# Altium PCB 通用工装板.PcbDoc (part 1 of 10) (continued)
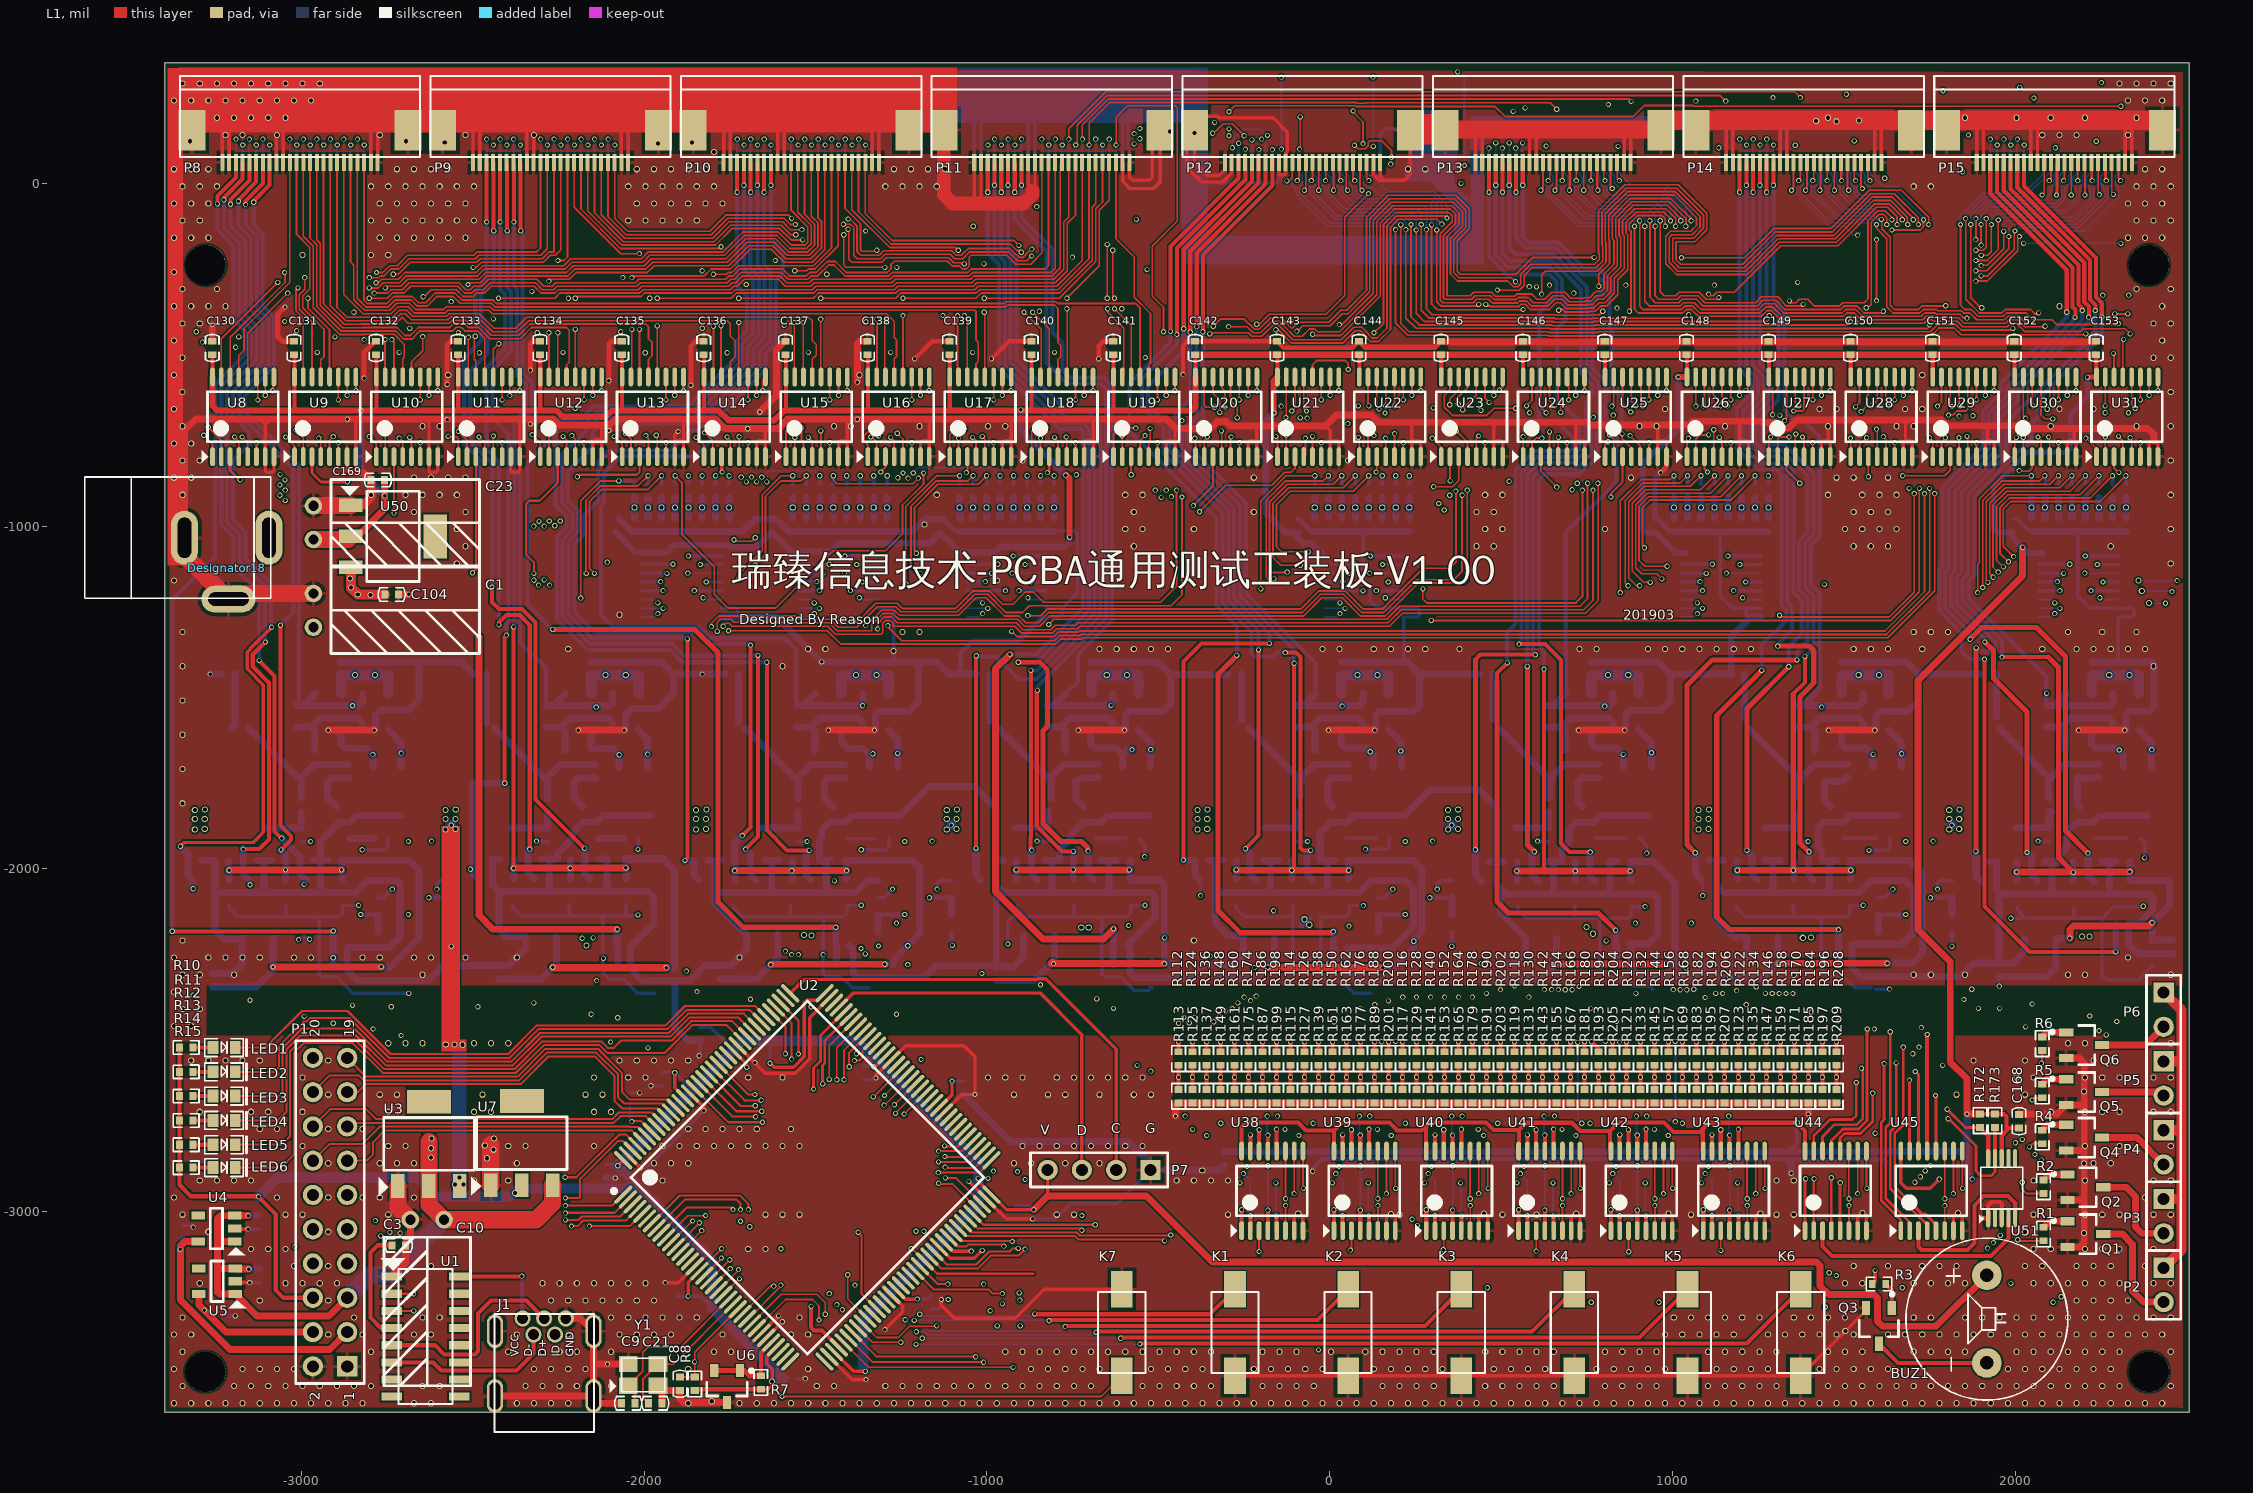
[diagram p0: L1 view]
## Components (designator, comment, footprint, x,y, rotation, side; value= is the part's Value field where it differs from the comment) (continued)
R37 "20K" r0402 -1488,-996.42 r270 bottom
R38 "10K" r0402 -1448.63,-896.02 r270 bottom
R39 "20K" r0402 -1448.63,-996.42 r270 bottom
R40 "10K" r0402 -1409.26,-896.02 r270 bottom
R41 "20K" r0402 -1409.26,-996.42 r270 bottom
R42 "10K" r0402 -1369.89,-896.02 r270 bottom
R43 "20K" r0402 -1369.89,-996.42 r270 bottom
R44 "10K" r0402 -1330.52,-896.02 r270 bottom
R45 "20K" r0402 -1330.52,-996.42 r270 bottom
R46 "10K" r0402 -1291.15,-896.02 r270 bottom
R47 "20K" r0402 -1291.15,-996.42 r270 bottom
R48 "10K" r0402 -1079.8,-896.02 r270 bottom
R49 "20K" r0402 -1079.67,-996.42 r270 bottom
R50 "10K" r0402 -1040.43,-896.02 r270 bottom
R51 "20K" r0402 -1040.3,-996.42 r270 bottom
R52 "10K" r0402 -1001.06,-896.02 r270 bottom
R53 "20K" r0402 -1000.93,-996.42 r270 bottom
R54 "10K" r0402 -961.63,-896.02 r270 bottom
R55 "20K" r0402 -961.56,-996.42 r270 bottom
R56 "10K" r0402 -922.26,-896.02 r270 bottom
R57 "20K" r0402 -922.19,-996.42 r270 bottom
R58 "10K" r0402 -882.89,-896.02 r270 bottom
R59 "20K" r0402 -882.82,-996.42 r270 bottom
R60 "10K" r0402 -843.52,-896.02 r270 bottom
R61 "20K" r0402 -843.45,-996.42 r270 bottom
R62 "10K" r0402 -804.15,-896.02 r270 bottom
R63 "20K" r0402 -804.08,-996.42 r270 bottom
R64 "10K" r0402 -43.67,-896.02 r270 bottom
R65 "20K" r0402 -43.67,-996.42 r270 bottom
R66 "10K" r0402 -4.3,-896.02 r270 bottom
R67 "20K" r0402 -4.3,-996.42 r270 bottom
R68 "10K" r0402 35.07,-896.02 r270 bottom
R69 "20K" r0402 35.07,-996.42 r270 bottom
R70 "10K" r0402 74.44,-896.02 r270 bottom
R71 "20K" r0402 74.44,-996.42 r270 bottom
R72 "10K" r0402 113.81,-896.02 r270 bottom
R73 "20K" r0402 113.81,-996.42 r270 bottom
R74 "10K" r0402 153.18,-896.02 r270 bottom
R75 "20K" r0402 153.18,-996.42 r270 bottom
R76 "10K" r0402 192.55,-896.02 r270 bottom
R77 "20K" r0402 192.55,-996.42 r270 bottom
R78 "10K" r0402 231.92,-896.02 r270 bottom
R79 "20K" r0402 231.92,-996.42 r270 bottom
R80 "10K" r0402 1004.16,-896.02 r270 bottom
R81 "20K" r0402 1004.31,-996.7 r270 bottom
R82 "10K" r0402 1043.53,-896.02 r270 bottom
R83 "20K" r0402 1043.68,-996.7 r270 bottom
R84 "10K" r0402 1082.9,-896.02 r270 bottom
R85 "20K" r0402 1083.05,-996.7 r270 bottom
R86 "10K" r0402 1122.27,-896.02 r270 bottom
R87 "20K" r0402 1122.48,-996.7 r270 bottom
R88 "10K" r0402 1161.64,-896.02 r270 bottom
R89 "20K" r0402 1161.85,-996.7 r270 bottom
R90 "10K" r0402 1201.01,-896.02 r270 bottom
R91 "20K" r0402 1201.22,-996.7 r270 bottom
R92 "10K" r0402 1240.38,-896.02 r270 bottom
R93 "20K" r0402 1240.59,-996.7 r270 bottom
R94 "10K" r0402 1279.75,-896.02 r270 bottom
R95 "20K" r0402 1279.96,-996.7 r270 bottom
R96 "10K" r0402 2046.88,-896.02 r270 bottom
R97 "20K" r0402 2048,-996 r270 bottom
R98 "10K" r0402 2086.25,-896.02 r270 bottom
R99 "20K" r0402 2086.25,-996.42 r270 bottom
R100 "10K" r0402 2125.62,-896.02 r270 bottom
R101 "20K" r0402 2125.62,-996.42 r270 bottom
R102 "10K" r0402 2164.99,-896.02 r270 bottom
R103 "20K" r0402 2164.99,-996.42 r270 bottom
R104 "10K" r0402 2204.36,-896.02 r270 bottom
R105 "20K" r0402 2204.36,-996.42 r270 bottom
R106 "10K" r0402 2243.73,-896.02 r270 bottom
R107 "20K" r0402 2243.73,-996.42 r270 bottom
R108 "10K" r0402 2283.1,-896.02 r270 bottom
R109 "20K" r0402 2283.1,-996.42 r270 bottom
R110 "10K" r0402 2322.47,-896.02 r270 bottom
R111 "20K" r0402 2322.47,-996.42 r270 bottom
R112 "10K" r0402 -441,-2553 r270 top
R113 "10K" r0402 -441.26,-2662.91 r270 top
R114 "10K" r0402 -114.36,-2553 r270 top
R115 "10K" r0402 -114.62,-2662.91 r270 top
R116 "10K" r0402 212.28,-2553 r270 top
R117 "10K" r0402 212.02,-2662.91 r270 top
R118 "10K" r0402 538.91,-2553 r270 top
R119 "10K" r0402 538.65,-2662.91 r270 top
R120 "10K" r0402 865.55,-2553 r270 top
R121 "10K" r0402 865.29,-2662.91 r270 top
R122 "10K" r0402 1192.19,-2553 r270 top
R123 "10K" r0402 1191.93,-2662.91 r270 top
R124 "10K" r0402 -400.17,-2553 r270 top
R125 "10K" r0402 -400.43,-2662.91 r270 top
R126 "10K" r0402 -73.53,-2553 r270 top
R127 "10K" r0402 -73.79,-2662.91 r270 top
R128 "10K" r0402 253.1,-2553 r270 top
R129 "10K" r0402 252.85,-2662.91 r270 top
R130 "10K" r0402 579.74,-2553 r270 top
R131 "10K" r0402 579.48,-2662.91 r270 top
R132 "10K" r0402 906.38,-2553 r270 top
R133 "10K" r0402 906.12,-2662.91 r270 top
R134 "10K" r0402 1233.02,-2553 r270 top
R135 "10K" r0402 1232.76,-2662.91 r270 top
R136 "10K" r0402 -359.34,-2553 r270 top
R137 "10K" r0402 -359.6,-2662.91 r270 top
R138 "10K" r0402 -32.7,-2553 r270 top
R139 "10K" r0402 -32.96,-2662.91 r270 top
R140 "10K" r0402 293.93,-2553 r270 top
R141 "10K" r0402 293.67,-2662.91 r270 top
R142 "10K" r0402 620.57,-2553 r270 top
R143 "10K" r0402 620.31,-2662.91 r270 top
R144 "10K" r0402 947.21,-2553 r270 top
R145 "10K" r0402 946.95,-2662.91 r270 top
R146 "10K" r0402 1273.85,-2553 r270 top
R147 "10K" r0402 1273.59,-2662.91 r270 top
R148 "10K" r0402 -318.51,-2553 r270 top
R149 "10K" r0402 -318.77,-2662.91 r270 top
R150 "10K" r0402 8.13,-2553 r270 top
R151 "10K" r0402 7.87,-2662.91 r270 top
R152 "10K" r0402 334.76,-2553 r270 top
R153 "10K" r0402 334.5,-2662.91 r270 top
R154 "10K" r0402 661.4,-2553 r270 top
R155 "10K" r0402 661.14,-2662.91 r270 top
R156 "10K" r0402 988.04,-2553 r270 top
R157 "10K" r0402 987.78,-2662.91 r270 top
R158 "10K" r0402 1314.68,-2553 r270 top
R159 "10K" r0402 1314.42,-2662.91 r270 top
R160 "10K" r0402 -277.68,-2553 r270 top
R161 "10K" r0402 -277.94,-2662.91 r270 top
R162 "10K" r0402 48.96,-2553 r270 top
R163 "10K" r0402 48.7,-2662.91 r270 top
R164 "10K" r0402 375.59,-2553 r270 top
R165 "10K" r0402 375.33,-2662.91 r270 top
R166 "10K" r0402 702.23,-2553 r270 top
R167 "10K" r0402 701.97,-2662.91 r270 top
R168 "10K" r0402 1028.87,-2553 r270 top
R169 "10K" r0402 1028.61,-2662.91 r270 top
R170 "10K" r0402 1355.51,-2553 r270 top
R171 "10K" r0402 1355.25,-2662.91 r270 top
R172 "10K" r0402 1897.28,-2734.61 r90 top
R173 "10K" r0402 1940.58,-2734.61 r90 top
R174 "10K" r0402 -236.85,-2553 r270 top
R175 "10K" r0402 -237.11,-2662.91 r270 top
R176 "10K" r0402 89.79,-2553 r270 top
R177 "10K" r0402 89.53,-2662.91 r270 top
R178 "10K" r0402 416.42,-2553 r270 top
R179 "10K" r0402 416.16,-2662.91 r270 top
R180 "10K" r0402 743.06,-2553 r270 top
R181 "10K" r0402 742.8,-2662.91 r270 top
R182 "10K" r0402 1069.7,-2553 r270 top
R183 "10K" r0402 1069.44,-2662.91 r270 top
R184 "10K" r0402 1396.34,-2553 r270 top
R185 "10K" r0402 1396.08,-2662.91 r270 top
R186 "10K" r0402 -196.02,-2553 r270 top
R187 "10K" r0402 -196.28,-2662.91 r270 top
R188 "10K" r0402 130.62,-2553 r270 top
R189 "10K" r0402 130.36,-2662.91 r270 top
R190 "10K" r0402 457.25,-2553 r270 top
R191 "10K" r0402 456.99,-2662.91 r270 top
R192 "10K" r0402 783.89,-2553 r270 top
R193 "10K" r0402 783.63,-2662.91 r270 top
R194 "10K" r0402 1110.53,-2553 r270 top
R195 "10K" r0402 1110.27,-2662.91 r270 top
R196 "10K" r0402 1437.17,-2553 r270 top
R197 "10K" r0402 1436.91,-2662.91 r270 top
R198 "10K" r0402 -155.19,-2553 r270 top
R199 "10K" r0402 -155.45,-2662.91 r270 top
R200 "10K" r0402 171.45,-2553 r270 top
R201 "10K" r0402 171.19,-2662.91 r270 top
R202 "10K" r0402 498.08,-2553 r270 top
R203 "10K" r0402 497.82,-2662.91 r270 top
R204 "10K" r0402 824.72,-2553 r270 top
R205 "10K" r0402 824.46,-2662.91 r270 top
R206 "10K" r0402 1151.36,-2553 r270 top
R207 "10K" r0402 1151.1,-2662.91 r270 top
R208 "10K" r0402 1478,-2553 r270 top
R209 "10K" r0402 1477.74,-2662.91 r270 top
R210 "100R" r0402 -3000.36,-1813.35 r90 bottom
R211 "100R" r0402 -2282.14,-1813.35 r90 bottom
R212 "100R" r0402 -1552.11,-1813.35 r90 bottom
R213 "100R" r0402 -822.07,-1813.35 r90 bottom
R214 "100R" r0402 -92.04,-1813.35 r90 bottom
R215 "100R" r0402 638,-1813.35 r90 bottom
R216 "100R" r0402 1368.03,-1813.35 r90 bottom
R217 "100R" r0402 2098.06,-1813.35 r90 bottom
R218 "100R" r0402 -3000.36,-1899.96 r90 bottom
R219 "100R" r0402 -2282.14,-1899.96 r90 bottom
R220 "100R" r0402 -1552.11,-1899.96 r90 bottom
R221 "100R" r0402 -822.07,-1899.96 r90 bottom
R222 "100R" r0402 -92.04,-1899.96 r90 bottom
R223 "100R" r0402 638,-1899.96 r90 bottom
R224 "100R" r0402 1368.03,-1899.96 r90 bottom
R225 "100R" r0402 2098.06,-1899.96 r90 bottom
R226 "20K" r0402 -2862.57,-1714.92 r270 bottom
R227 "20K" r0402 -2134.78,-1714.92 r270 bottom
R228 "20K" r0402 -1407,-1714.92 r270 bottom
R229 "20K" r0402 -679.21,-1714.92 r270 bottom
R230 "20K" r0402 48.57,-1714.92 r270 bottom
R231 "20K" r0402 776.35,-1714.92 r270 bottom
R232 "20K" r0402 1504.14,-1714.92 r270 bottom
R233 "20K" r0402 2231.92,-1714.92 r270 bottom
R234 "10K" r0402 -2768.08,-1911.77 r0 bottom
R235 "10K" r0402 -2037.48,-1911.77 r0 bottom
R236 "10K" r0402 -1306.89,-1911.77 r0 bottom
R237 "10K" r0402 -576.29,-1911.77 r0 bottom
R238 "10K" r0402 154.31,-1911.77 r0 bottom
R239 "10K" r0402 884.9,-1911.77 r0 bottom
R240 "10K" r0402 1615.5,-1911.77 r0 bottom
R241 "10K" r0402 2346.09,-1911.77 r0 bottom
R242 "0.1R" r0603 -3016.11,-1553.5 r90 bottom
R243 "0.1R" r0603 -2286.64,-1553.5 r90 bottom
R244 "0.1R" r0603 -1557.17,-1553.5 r90 bottom
R245 "0.1R" r0603 -827.7,-1553.5 r90 bottom
R246 "0.1R" r0603 -98.22,-1553.5 r90 bottom
R247 "0.1R" r0603 631.25,-1553.5 r90 bottom
R248 "0.1R" r0603 1360.72,-1553.5 r90 bottom
R249 "0.1R" r0603 2090.19,-1553.5 r90 bottom
U1 "ch340e" SOP_16P_1R27_4R0X10R0 -2638.16,-3364.53 r0 top
U2 "STM32F103ZET6" LQFP_144P_0R5_20R0X20R0 -1523.98,-2899.96 r315 top
U3 "AMS1117-3.3V" SOT223_4P_2R3_3R7X6R7 -2628,-2802 r90 top
U4 "XC6228" SOT23_5P_0R95_1R6X2R9 -3248,-3049 r180 top
U5 "XC6228" SOT23_5P_0R95_1R6X2R9 -3246,-3203 r180 top
U6 "Value" SOT23_3P_0R95_1R3X2R9 -1758.19,-3509.95 r270 top
U7 "AMS1117-3.3V" SOT223_4P_2R3_3R7X6R7 -2357,-2800 r90 top
U8 "Value" TSSOP_16P_0R65_4R4X5R0 -3169.65,-681.13 r90 top locked
U9 "Value" TSSOP_16P_0R65_4R4X5R0 -2930.69,-681.13 r90 top
U10 "Value" TSSOP_16P_0R65_4R4X5R0 -2691.74,-681.13 r90 top
U11 "Value" TSSOP_16P_0R65_4R4X5R0 -2452.78,-681.13 r90 top
U12 "Value" TSSOP_16P_0R65_4R4X5R0 -2213.82,-681.13 r90 top
U13 "Value" TSSOP_16P_0R65_4R4X5R0 -1974.86,-681.13 r90 top
U14 "Value" TSSOP_16P_0R65_4R4X5R0 -1735.9,-681.13 r90 top
U15 "Value" TSSOP_16P_0R65_4R4X5R0 -1496.94,-681.13 r90 top
U16 "Value" TSSOP_16P_0R65_4R4X5R0 -1257.98,-681.13 r90 top
U17 "Value" TSSOP_16P_0R65_4R4X5R0 -1019.02,-681.13 r90 top
U18 "Value" TSSOP_16P_0R65_4R4X5R0 -780.06,-681.13 r90 top
U19 "Value" TSSOP_16P_0R65_4R4X5R0 -541.1,-681.13 r90 top
U20 "Value" TSSOP_16P_0R65_4R4X5R0 -302.14,-681.13 r90 top
U21 "Value" TSSOP_16P_0R65_4R4X5R0 -63.18,-681.13 r90 top
U22 "Value" TSSOP_16P_0R65_4R4X5R0 175.78,-681.13 r90 top
U23 "Value" TSSOP_16P_0R65_4R4X5R0 414.73,-681.13 r90 top
U24 "Value" TSSOP_16P_0R65_4R4X5R0 653.69,-681.13 r90 top
U25 "Value" TSSOP_16P_0R65_4R4X5R0 892.65,-681.13 r90 top
U26 "Value" TSSOP_16P_0R65_4R4X5R0 1131.61,-681.13 r90 top
U27 "Value" TSSOP_16P_0R65_4R4X5R0 1370.57,-681.13 r90 top
U28 "Value" TSSOP_16P_0R65_4R4X5R0 1609.53,-681.13 r90 top
U29 "Value" TSSOP_16P_0R65_4R4X5R0 1848.49,-681.13 r90 top
U30 "Value" TSSOP_16P_0R65_4R4X5R0 2087.45,-681.13 r90 top
U31 "Value" TSSOP_16P_0R65_4R4X5R0 2326.41,-681.13 r90 top
U32 "Value" TSSOP_16P_0R65_4R4X5R0 -1890.13,-1175.55 r180 bottom
U33 "Value" TSSOP_16P_0R65_4R4X5R0 -1434.22,-1175.55 r180 bottom
U34 "Value" TSSOP_16P_0R65_4R4X5R0 -942.88,-1175.55 r180 bottom
U35 "Value" TSSOP_16P_0R65_4R4X5R0 99.64,-1175.55 r180 bottom
U36 "Value" TSSOP_16P_0R65_4R4X5R0 1142.16,-1175.55 r180 bottom
U37 "Value" TSSOP_16P_0R65_4R4X5R0 2184.68,-1175.55 r180 bottom
U38 "Value" TSSOP_16P_0R65_4R4X5R0 -167.79,-2939.33 r90 top
U39 "Value" TSSOP_16P_0R65_4R4X5R0 101.59,-2939.33 r90 top
U40 "Value" TSSOP_16P_0R65_4R4X5R0 370.96,-2939.33 r90 top
U41 "Value" TSSOP_16P_0R65_4R4X5R0 640.33,-2939.33 r90 top
U42 "Value" TSSOP_16P_0R65_4R4X5R0 909.71,-2939.33 r90 top
U43 "Value" TSSOP_16P_0R65_4R4X5R0 1179.08,-2939.33 r90 top
U44 "Value" TSSOP_16P_0R65_4R4X5R0 1476.02,-2939.33 r90 top
U45 "Value" TSSOP_16P_0R65_4R4X5R0 1755.54,-2939.33 r90 top
U50 "1117-5V0" SOT223_4P_2R3_3R7X6R7 -2732.65,-1029.88 r0 top
U51 "ADS1115" MSOP_10P_3R0X5R0_P 1960.27,-2931.46 r90 top
U52 "1117-5V0" SOT223_4P_2R3_3R7X6R7 -3083.04,-2325.16 r270 bottom
U53 "1117-5V0" SOT223_4P_2R3_3R7X6R7 -2256.27,-2321.22 r270 bottom
U54 "1117-5V0" SOT223_4P_2R3_3R7X6R7 -1610.6,-2313.35 r270 bottom
U55 "1117-5V0" SOT223_4P_2R3_3R7X6R7 -803.51,-2317.28 r270 bottom
U56 "1117-5V0" SOT223_4P_2R3_3R7X6R7 -161.78,-2317.28 r270 bottom
U57 "1117-5V0" SOT223_4P_2R3_3R7X6R7 661.06,-2325.16 r270 bottom
U58 "1117-5V0" SOT223_4P_2R3_3R7X6R7 1306.72,-2321.22 r270 bottom
U59 "1117-5V0" SOT223_4P_2R3_3R7X6R7 2117.75,-2325.16 r270 bottom
U60 "XC6228" SOT23_5P_0R95_1R6X2R9 -2854.69,-2325.16 r180 bottom
U61 "XC6228" SOT23_5P_0R95_1R6X2R9 -2023.98,-2325.16 r180 bottom
U62 "XC6228" SOT23_5P_0R95_1R6X2R9 -1386.19,-2317.28 r180 bottom
U63 "XC6228" SOT23_5P_0R95_1R6X2R9 -579.1,-2317.28 r180 bottom
U64 "XC6228" SOT23_5P_0R95_1R6X2R9 66.57,-2325.16 r180 bottom
U65 "XC6228" SOT23_5P_0R95_1R6X2R9 889.4,-2313.35 r180 bottom
U66 "XC6228" SOT23_5P_0R95_1R6X2R9 1539.01,-2313.35 r180 bottom
U67 "XC6228" SOT23_5P_0R95_1R6X2R9 2346.09,-2246.42 r180 bottom
U68 "XC6228" SOT23_5P_0R95_1R6X2R9 -2933.43,-2069.25 r180 bottom
U69 "XC6228" SOT23_5P_0R95_1R6X2R9 -2106.66,-2065.32 r180 bottom
U70 "XC6228" SOT23_5P_0R95_1R6X2R9 -1460.99,-2069.25 r180 bottom
U71 "XC6228" SOT23_5P_0R95_1R6X2R9 -634.22,-2069.25 r180 bottom
U72 "XC6228" SOT23_5P_0R95_1R6X2R9 3.57,-2069.25 r180 bottom
U73 "XC6228" SOT23_5P_0R95_1R6X2R9 826.41,-2073.19 r180 bottom
U74 "XC6228" SOT23_5P_0R95_1R6X2R9 1464.2,-2069.25 r180 bottom
U75 "XC6228" SOT23_5P_0R95_1R6X2R9 2283.1,-2073.19 r180 bottom
U76 "XC6228" SOT23_5P_0R95_1R6X2R9 -3098.79,-2069.25 r180 bottom
U77 "XC6228" SOT23_5P_0R95_1R6X2R9 -2268.08,-2065.32 r180 bottom
U78 "XC6228" SOT23_5P_0R95_1R6X2R9 -1622.41,-2069.25 r180 bottom
U79 "XC6228" SOT23_5P_0R95_1R6X2R9 -799.57,-2069.25 r180 bottom
U80 "XC6228" SOT23_5P_0R95_1R6X2R9 -161.78,-2069.25 r180 bottom
U81 "XC6228" SOT23_5P_0R95_1R6X2R9 661.06,-2073.19 r180 bottom
U82 "XC6228" SOT23_5P_0R95_1R6X2R9 1302.79,-2069.25 r180 bottom
U83 "XC6228" SOT23_5P_0R95_1R6X2R9 2117.75,-2073.19 r180 bottom
U84 "XC6228" SOT23_5P_0R95_1R6X2R9 -3264.14,-2069.25 r180 bottom
U85 "XC6228" SOT23_5P_0R95_1R6X2R9 -2433.43,-2065.32 r180 bottom
U86 "XC6228" SOT23_5P_0R95_1R6X2R9 -1787.76,-2069.25 r180 bottom
U87 "XC6228" SOT23_5P_0R95_1R6X2R9 -964.93,-2069.25 r180 bottom
U88 "XC6228" SOT23_5P_0R95_1R6X2R9 -327.13,-2069.25 r180 bottom
U89 "XC6228" SOT23_5P_0R95_1R6X2R9 495.7,-2073.19 r180 bottom
U90 "XC6228" SOT23_5P_0R95_1R6X2R9 1137.43,-2069.25 r180 bottom
U91 "XC6228" SOT23_5P_0R95_1R6X2R9 1952.39,-2073.19 r180 bottom
U92 "LM317" TO252_3P_2R3_6R2X6R7 -3205.09,-1710.98 r180 bottom
U93 "Value" TO252_3P_2R3_6R2X6R7 -2473.93,-1710.98 r180 bottom
U94 "Value" TO252_3P_2R3_6R2X6R7 -1742.77,-1710.98 r180 bottom
U95 "Value" TO252_3P_2R3_6R2X6R7 -1011.61,-1710.98 r180 bottom
U96 "Value" TO252_3P_2R3_6R2X6R7 -280.45,-1710.98 r180 bottom
U97 "Value" TO252_3P_2R3_6R2X6R7 450.71,-1710.98 r180 bottom
U98 "Value" TO252_3P_2R3_6R2X6R7 1181.87,-1710.98 r180 bottom
U99 "Value" TO252_3P_2R3_6R2X6R7 1913.02,-1710.98 r180 bottom
U100 "Value" SOP_8P_1R27_3R9X4R9 -2669.65,-2108.62 r0 bottom
U101 "Value" SOP_8P_1R27_3R9X4R9 -1210.34,-2108.62 r0 bottom
U102 "Value" SOP_8P_1R27_3R9X4R9 248.98,-2108.62 r0 bottom
U103 "Value" SOP_8P_1R27_3R9X4R9 1708.3,-2108.62 r0 bottom
U104 "Value" SOT23_5P_0R95_1R6X2R9 -2921.62,-1541.69 r90 bottom
U105 "Value" SOT23_5P_0R95_1R6X2R9 -2192.15,-1541.69 r90 bottom
U106 "Value" SOT23_5P_0R95_1R6X2R9 -1462.68,-1541.69 r90 bottom
U107 "Value" SOT23_5P_0R95_1R6X2R9 -733.21,-1541.69 r90 bottom
U108 "Value" SOT23_5P_0R95_1R6X2R9 -3.74,-1541.69 r90 bottom
U109 "Value" SOT23_5P_0R95_1R6X2R9 725.73,-1541.69 r90 bottom
U110 "Value" SOT23_5P_0R95_1R6X2R9 1455.21,-1541.69 r90 bottom
U111 "Value" SOT23_5P_0R95_1R6X2R9 2184.68,-1541.69 r90 bottom
U112 "Value" SOT23_5P_0R95_1R6X2R9 -2783.83,-1541.69 r90 bottom
U113 "Value" SOT23_5P_0R95_1R6X2R9 -2054.36,-1541.69 r90 bottom
U114 "Value" SOT23_5P_0R95_1R6X2R9 -1324.88,-1541.69 r90 bottom
U115 "Value" SOT23_5P_0R95_1R6X2R9 -595.41,-1541.69 r90 bottom
U116 "Value" SOT23_5P_0R95_1R6X2R9 134.06,-1541.69 r90 bottom
U117 "Value" SOT23_5P_0R95_1R6X2R9 863.53,-1541.69 r90 bottom
U118 "Value" SOT23_5P_0R95_1R6X2R9 1593,-1541.69 r90 bottom
U119 "Value" SOT23_5P_0R95_1R6X2R9 2322.47,-1541.69 r90 bottom
Y1 "8MHZ" SMD_Crystal_4P_2R5X3R2 -2003.28,-3476.14 r0 top

## Footprints (in the part's own frame and the unit in brackets; to place one, negate y for a bottom-side part, rotate by r counter-clockwise, add the part's x,y. Pads: shape width x height; smd on the part's side, far side on the other; paste and mask are expansions set on the pad)
c0402 [mm] "C0402"
  rect 0.5x0.6 smd: 1(-0.5,0) 2(0.5,0)
  L1 pour cut-out: -0.15,0.413 -0.15,-0.416 0.16,-0.417 0.16,0.415
  silkscreen extent -1,-0.5 1,0.5, body extent -0.86,-0.43 0.88,0.41, height 0.51
C1206 [mm] "C1206"
  rect 1.4x2 smd: 1(-1.8,0) 2(1.8,0)
  silkscreen extent -2.9,-1.2 2.9,1.2, body extent -2.6,-1.1 2.6,1.1, height 1.53
CAP_2P_2R5_D6R3H11_W [mm] "C1206"
  round 1.3 hole 0.75: 1(-1.25,-6.8) 2(1.25,-6.8)
  silkscreen extent -3.2,-5.5 3.2,5.5, body extent -3.25,-7.66 3.1,5.66, height 6.38
DC5_3P_9R5X14_P [mm]
  oval 4x2 hole 1 slot 3 at 0 deg: 1(0,0) 3(0,-6.25)
  oval 2x4 hole 1 slot 3 at 90 deg: 2(4.55,-3)
  silkscreen extent -4.5,-13.65 4.52,0.13, body extent -4.75,-13.88 5.96,1.25, height 11.25
DIP_BUZZER_2P_6R5_D12H9 [mm]
  round 2.2 hole 1: 1(0,3.25) 2(0,-3.25)
  silkscreen extent -6,-6 6,6, body extent -6.07,-6.08 5.93,5.92, height 9.3
DIP_MINI_USB_1 [mm]
  round 1.2 hole 0.8: 1(-1.6,3.35) 2(-0.8,2.15) 3(0,3.35) 4(0.8,2.15) 5(1.6,3.35)
  oval 1.2x2.5 hole 0.8 slot 2 at 90 deg: A(-3.65,-2.4) A(-3.65,2.4) A(3.65,-2.4) A(3.65,2.4)
  silkscreen extent -3.68,-5.08 3.68,3.68, body extent -4.07,-5.22 4.08,3.61, height 3.95
FPC_24P_AB_0R5_5R1X17R7 [mm]
  rect 0.3x1.25 smd: 1(-5.75,-2.4) 2(-5.25,-2.4) 3(-4.75,-2.4) 4(-4.25,-2.4) 5(-3.75,-2.4) 6(-3.25,-2.4) 7(-2.75,-2.4) 8(-2.25,-2.4) 9(-1.75,-2.4) 10(-1.25,-2.4) 11(-0.75,-2.4) 12(-0.25,-2.4) 13(0.25,-2.4) 14(0.75,-2.4) 15(1.25,-2.4) 16(1.75,-2.4) 17(2.25,-2.4) 18(2.75,-2.4) 19(3.25,-2.4) 20(3.75,-2.4) 21(4.25,-2.4) 22(4.75,-2.4) 23(5.25,-2.4) 24(5.75,-2.4)
  rect 2x3 smd: A(8,0) B(-8,0)
  silkscreen extent -8.9,-2 8.9,4, body extent -9.3,-2.8 9.3,4, height 2
HDR1X2 [mm] "Connector; Header; 2 Position"
  rect 1.5x1.5 hole 0.9: 1(0,0)
  round 1.5 hole 0.9: 2(2.54,0)
  silkscreen extent -1.27,-1.27 3.81,1.27
HDR1X4 [mm] "Connector; Header; 4 Position"
  rect 1.5x1.5 hole 0.9: 1(0,0)
  round 1.5 hole 0.9: 2(2.54,0) 3(5.08,0) 4(7.62,0)
  silkscreen extent -1.27,-1.27 8.89,1.27
HDR2X10 [mm] "Connector; Header; 10x2 Position"
  rect 1.5x1.5 hole 0.9: 1(0,0)
  round 1.5 hole 0.9: 2(0,2.54) 3(2.54,0) 4(2.54,2.54) 5(5.08,0) 6(5.08,2.54) 7(7.62,0) 8(7.62,2.54) 9(10.16,0) 10(10.16,2.54) 11(12.7,0) 12(12.7,2.54) 13(15.24,0) 14(15.24,2.54) 15(17.78,0) 16(17.78,2.54) 17(20.32,0) 18(20.32,2.54) 19(22.86,0) 20(22.86,2.54)
  silkscreen extent -1.27,-1.27 24.13,3.81
led0603+ [mm]
  rect 0.8x0.95 smd: 1(-0.825,0) 2(0.825,0)
  silkscreen extent -1.42,-0.66 1.67,0.66, body extent -1.34,-0.6 1.34,0.61, height 0.6
LL34_2P_D1R5H3R7 [mm]
  rect 1x1.6 smd: 1(-1.8,0) 2(1.8,0)
  silkscreen extent -1.8,-0.82 1.8,0.8, body extent -2.42,-0.93 2.46,0.95, height 1.45
LQFP_144P_0R5_20R0X20R0 [mm]
  oval 0.28x1.8 smd mask+0.051: 1(-8.75,-10.55) 2(-8.25,-10.55) 3(-7.75,-10.55) 4(-7.25,-10.55) 5(-6.75,-10.55) 6(-6.25,-10.55) 7(-5.75,-10.55) 8(-5.25,-10.55) 9(-4.75,-10.55) 10(-4.25,-10.55) 11(-3.75,-10.55) 12(-3.25,-10.55) 13(-2.75,-10.55) 14(-2.25,-10.55) 15(-1.75,-10.55) 16(-1.25,-10.55) 17(-0.75,-10.55) 18(-0.25,-10.55) 19(0.25,-10.55) 20(0.75,-10.55) 21(1.25,-10.55) 22(1.75,-10.55) 23(2.25,-10.55) 24(2.75,-10.55) 25(3.25,-10.55) 26(3.75,-10.55) 27(4.25,-10.55) 28(4.75,-10.55) 29(5.25,-10.55) 30(5.75,-10.55) 31(6.25,-10.55) 32(6.75,-10.55) 33(7.25,-10.55) 34(7.75,-10.55) 35(8.25,-10.55) 36(8.75,-10.55) 73(8.75,10.55) 74(8.25,10.55) 75(7.75,10.55) 76(7.25,10.55) 77(6.75,10.55) 78(6.25,10.55) 79(5.75,10.55) 80(5.25,10.55) 81(4.75,10.55) 82(4.25,10.55) 83(3.75,10.55) 84(3.25,10.55) 85(2.75,10.55) 86(2.25,10.55) 87(1.75,10.55) 88(1.25,10.55) 89(0.75,10.55) 90(0.25,10.55) 91(-0.25,10.55) 92(-0.75,10.55) 93(-1.25,10.55) 94(-1.75,10.55) 95(-2.25,10.55) 96(-2.75,10.55) 97(-3.25,10.55) 98(-3.75,10.55) 99(-4.25,10.55) 100(-4.75,10.55) 101(-5.25,10.55) 102(-5.75,10.55) 103(-6.25,10.55) 104(-6.75,10.55) 105(-7.25,10.55) 106(-7.75,10.55) 107(-8.25,10.55) 108(-8.75,10.55)
  oval 1.8x0.28 smd mask+0.051: 37(10.55,-8.75) 38(10.55,-8.25) 39(10.55,-7.75) 40(10.55,-7.25) 41(10.55,-6.75) 42(10.55,-6.25) 43(10.55,-5.75) 44(10.55,-5.25) 45(10.55,-4.75) 46(10.55,-4.25) 47(10.55,-3.75) 48(10.55,-3.25) 49(10.55,-2.75) 50(10.55,-2.25) 51(10.55,-1.75) 52(10.55,-1.25) 53(10.55,-0.75) 54(10.55,-0.25) 55(10.55,0.25) 56(10.55,0.75) 57(10.55,1.25) 58(10.55,1.75) 59(10.55,2.25) 60(10.55,2.75) 61(10.55,3.25) 62(10.55,3.75) 63(10.55,4.25) 64(10.55,4.75) 65(10.55,5.25) 66(10.55,5.75) 67(10.55,6.25) 68(10.55,6.75) 69(10.55,7.25) 70(10.55,7.75) 71(10.55,8.25) 72(10.55,8.75) 109(-10.55,8.75) 110(-10.55,8.25) 111(-10.55,7.75) 112(-10.55,7.25) 113(-10.55,6.75) 114(-10.55,6.25) 115(-10.55,5.75) 116(-10.55,5.25) 117(-10.55,4.75) 118(-10.55,4.25) 119(-10.55,3.75) 120(-10.55,3.25) 121(-10.55,2.75) 122(-10.55,2.25) 123(-10.55,1.75) 124(-10.55,1.25) 125(-10.55,0.75) 126(-10.55,0.25) 127(-10.55,-0.25) 128(-10.55,-0.75) 129(-10.55,-1.25) 130(-10.55,-1.75) 131(-10.55,-2.25) 132(-10.55,-2.75) 133(-10.55,-3.25) 134(-10.55,-3.75) 135(-10.55,-4.25) 136(-10.55,-4.75) 137(-10.55,-5.25) 138(-10.55,-5.75) 139(-10.55,-6.25) 140(-10.55,-6.75) 141(-10.55,-7.25) 142(-10.55,-7.75) 143(-10.55,-8.25) 144(-10.55,-8.75)
  silkscreen extent -9.57,-11 9.25,9.25, body extent -11.42,-11.53 11.42,11.5, height 1.54
MSOP_10P_3R0X5R0_P [mm] "TSSOP, 10-Leads, Body 3.00x3.00mm, Pitch 0.50mm, Thermal Pad 2.10x1.83mm, IPC Medium Density"
  oval 1.35x0.3 smd: 1(-2.225,1) 2(-2.225,0.5) 3(-2.225,0) 4(-2.225,-0.5) 5(-2.225,-1) 6(2.225,-1) 7(2.225,-0.5) 8(2.225,0) 9(2.225,0.5) 10(2.225,1)
  silkscreen extent -2.6,-1.55 1.55,1.65, body extent -3.03,-1.65 3.07,1.65, height 1.1
r0402 [mm]
  rect 0.5x0.6 smd: 1(-0.5,0) 2(0.5,0)
  L1 pour cut-out: -0.15,0.413 -0.15,-0.416 0.16,-0.417 0.16,0.415
  silkscreen extent -0.94,-0.5 0.96,0.5, body extent -0.86,-0.43 0.88,0.41, height 0.51
R0402 [mm]
  rect 0.5x0.6 smd: 1(-0.5,0) 2(0.5,0)
  L1 pour cut-out: -0.15,0.413 -0.15,-0.416 0.16,-0.417 0.16,0.415
  silkscreen extent -0.94,-0.5 0.96,0.5, body extent -0.86,-0.43 0.88,0.41, height 0.51
r0603 [mm]
  rect 0.8x0.95 smd: 1(-0.825,0) 2(0.825,0)
  silkscreen extent -1.42,-0.66 1.43,0.66, body extent -1.34,-0.6 1.34,0.61, height 0.79
SMD_Crystal_4P_2R5X3R2 [mm]
  rect 1.4x1.2 smd: 1(-1.1,-0.8) 2(1.1,-0.8) 3(1.1,0.8) 4(-1.1,0.8)
  silkscreen extent -2.48,-1.31 1.61,1.24, body extent -1.97,-1.56 1.99,1.58, height 0.6
SMD_SWITCH_2P_3R5X6R0 [mm]
  rect 2.7x1.6 smd: 1(-3.2,0) 2(3.2,0)
  silkscreen extent -3,-1.75 3,1.75, body extent -3.15,-1.75 3.15,1.75, height 5
SOP_8P_1R27_3R9X4R9 [mm] "SOP, 8-Leads, Body 4.89x3.90mm, Pitch 1.27mm, IPC Medium Density"
  oval 1.55x0.6 smd: 1(-2.725,1.905) 2(-2.725,0.635) 3(-2.725,-0.635) 4(-2.725,-1.905) 5(2.725,-1.905) 6(2.725,-0.635) 7(2.725,0.635) 8(2.725,1.905)
  silkscreen extent -3.2,-2.5 1.6,2.89, body extent -3.7,-2.75 3.7,2.75, height 1.75
SOP_16P_1R27_4R0X10R0 [mm]
  rect 1.5x0.6 smd: 1(-2.5,4.45) 2(-2.5,3.179) 3(-2.5,1.909) 4(-2.5,0.638) 5(-2.5,-0.633) 6(-2.5,-1.904) 7(-2.5,-3.174) 8(-2.5,-4.445) 9(2.5,-4.445) 10(2.5,-3.174) 11(2.5,-1.904) 12(2.5,-0.633) 13(2.5,0.638) 14(2.5,1.909) 15(2.5,3.179) 16(2.5,4.45)
  silkscreen extent -3.3,-5 2,5.8, body extent -3.2,-5 3.2,5, height 1.75
SOT23_3P_0R95_1R3X2R9 [mm] "SOT23, 3-Leads, Body 2.90x2.40mm, Pitch 0.95mm, IPC Medium Density"
  rect 0.95x0.6 smd: 1(-1.175,0.95) 2(-1.175,-0.95) 3(1.175,0)
  silkscreen extent -1.3,-1.5 0.7,1.93, body extent -1.82,-1.61 1.81,1.62, height 1.3
SOT23_3P_0R95_1R6X2R9 [mm] "SOT23, 3-Leads, Body 2.90x2.80mm, Pitch 0.95mm, IPC Medium Density"
  rect 1.05x0.6 smd: 1(-1.325,0.95) 2(-1.325,-0.95) 3(1.325,0)
  silkscreen extent -2.47,-1.45 0.8,1.45, body extent -2.08,-1.58 2.07,1.61, height 1.3
SOT23_5P_0R95_1R6X2R9 [mm]
  rect 1x0.6 smd: 1(-1.35,0.95) 2(-1.35,0) 3(-1.35,-0.95) 4(1.35,-0.95) 5(1.35,0.95)
  silkscreen extent -2.15,-1.5 0.45,2, body extent -1.25,-1.5 1.25,1.5, height 1.05
SOT223_4P_2R3_3R7X6R7 [mm] "SOT223, 4-Leads, Body 6.50x7.00mm (avg), Pitch 2.30mm, IPC Medium Density"
  rect 1.75x1 smd: 1(-3.125,2.3) 2(-3.125,0) 3(-3.125,-2.3)
  rect 1.75x3.25 smd: 4(3.125,0)
  silkscreen extent -3.87,-3.35 1.95,3.73, body extent -4.25,-3.6 4.25,3.6, height 1.7
TO252_3P_2R3_6R2X6R7 [mm]
  rect 1.6x3 smd: 1(-2.3,-4.1) 3(2.3,-4.1)
  rect 5.8x6.2 smd: 4(0.01,3.1)
  silkscreen extent -4.48,-5.12 -3.38,-3.02, body extent -3.5,-5.75 3.34,6.54, height 2.34
TSSOP_16P_0R65_4R4X5R0 [mm]
  oval 1.4x0.35 smd: 1(-2.95,2.275) 2(-2.95,1.625) 3(-2.95,0.975) 4(-2.95,0.325) 5(-2.95,-0.325) 6(-2.95,-0.975) 7(-2.95,-1.625) 8(-2.95,-2.275) 9(2.95,-2.275) 10(2.95,-1.625) 11(2.95,-0.975) 12(2.95,-0.325) 13(2.95,0.325) 14(2.95,0.975) 15(2.95,1.625) 16(2.95,2.275)
  silkscreen extent -3.41,-2.6 1.85,3.08, body extent -3.9,-2.75 3.9,2.9, height 1.06

## Part data
BUZ1: library part 有源蜂鸣器
C1 C2 C3 C4 C5 C6 C7 C8 C9 C10 C11 C12 C13 C14 C15 C16 C17 C18 C19 C20 C21: library part 1.2.04.05.0001, "MLCC_47uF±20%_6.3V_X5R_H1.6mm_1206"
C22 C23 C24 C25 C26 C27 C28 C29 C30 C31 C32 C33 C34 C35 C36 C37 C38 C39 C40 C41 C42 C43 C44 C45 C46 C47 C48 C49 C50 C51 C52 C53 C54 C55 C56 C57 C58 C59 C60 C61 C62 C63 C64 C65 C66 C67 C68 C69 C70 C71 C72 C73 C74 C75 C76 C77 C78 C79 C80 C81 C82 C83 C84 C85 C86 C87 C88 C89 C90 C91 C92 C93 C94 C95 C96 C97 C98 C99 C100 C101 C102 C103 C104 C105 C106 C107 C108 C109 C110 C111 C112 C113 C114 C115 C116 C117 C118 C119 C130 C131 C132 C133 C134 C135 C136 C137 C138 C139 C140 C141 C142 C143 C144 C145 C146 C147 C148 C149 C150 C151 C152 C153 C154 C155 C156 C157 C158 C159 C160 C161 C162 C163 C164 C165 C166 C167 C168 C169: library part 无极性电容, "无极性电容"
D1 D2 D3 D4 D5 D6 D7 D8 D9 D10 D11 D12 D13 D14 D15 D16: library part 齐纳二极管, "齐纳二极管"
J1: library part USB座子-2（mini）
K1 K2 K3 K4 K5 K6 K7: library part 2脚按键-1
LED1 LED2 LED3 LED4 LED5 LED6: library part 单LED, "单LED"
P1: "Header, 20-Pin"
P2 P3 P4 P5 P6: "Header, 2-Pin"
P7: "Header, 4-Pin"
P8 P9 P10 P11 P12 P13 P14 P15 P16 P17 P18 P19 P20 P21 P22 P23: "Header, 12-Pin, Dual row"
Q1 Q2 Q3 Q4 Q5 Q6 Q15 Q16 Q17 Q18 Q19 Q20 Q21 Q22: library part NPN三极管, "NPN三极管"
Q7 Q8 Q9 Q10 Q11 Q12 Q13 Q14: library part P-MOS, "P-MOS"
R1 R2 R3 R4 R5 R6 R10 R11 R12 R13 R14 R15 R16 R17 R18 R19 R20 R21 R22 R23 R24 R25 R26 R27 R28 R29 R30 R31 R32 R33 R34 R35 R36 R37 R38 R39 R40 R41 R42 R43 R44 R45 R46 R47 R48 R49 R50 R51 R52 R53 R54 R55 R56 R57 R58 R59 R60 R61 R62 R63 R64 R65 R66 R67 R68 R69 R70 R71 R72 R73 R74 R75 R76 R77 R78 R79 R80 R81 R82 R83 R84 R85 R86 R87 R88 R89 R90 R91 R92 R93 R94 R95 R96 R97 R98 R99 R100 R101 R102 R103 R104 R105 R106 R107 R108 R109 R110 R111 R112 R113 R114 R115 R116 R117 R118 R119 R120 R121 R122 R123 R124 R125 R126 R127 R128 R129 R130 R131 R132 R133 R134 R135 R136 R137 R138 R139 R140 R141 R142 R143 R144 R145 R146 R147 R148 R149 R150 R151 R152 R153 R154 R155 R156 R157 R158 R159 R160 R161 R162 R163 R164 R165 R166 R167 R168 R169 R170 R171 R172 R173 R174 R175 R176 R177 R178 R179 R180 R181 R182 R183 R184 R185 R186 R187 R188 R189 R190 R191 R192 R193 R194 R195 R196 R197 R198 R199 R200 R201 R202 R203 R204 R205 R206 R207 R208 R209 R210 R211 R212 R213 R214 R215 R216 R217 R218 R219 R220 R221 R222 R223 R224 R225 R226 R227 R228 R229 R230 R231 R232 R233 R234 R235 R236 R237 R238 R239 R240 R241 R242 R243 R244 R245 R246 R247 R248 R249: library part 普通电阻, "普通电阻"
R7 R8 R9: library part 1.2.03.01.0006, "电阻-100R±5%-1/16W-0402"
U1: library part CH340B
U3 U7: library part 1.2.18.07.0001, "AMS1117_LDO稳压_800mA/3.3V_60dB_SOT223-3"
U6: library part TL431A
U8 U9 U10 U11 U12 U13 U14 U15 U16 U17 U18 U19 U20 U21 U22 U23 U24 U25 U26 U27 U28 U29 U30 U31 U32 U33 U34 U35 U36 U37 U38 U39 U40 U41 U42 U43 U44 U45: library part 74HC4051
U50 U52 U53 U54 U55 U56 U57 U58 U59: library part AMS1117
U92 U93 U94 U95 U96 U97 U98 U99: library part LM317-ADJ
U100 U101 U102 U103: library part LM358
U104 U105 U106 U107 U108 U109 U110 U111 U112 U113 U114 U115 U116 U117 U118 U119: library part INA180A
Y1: library part 四脚晶体谐振器, "四脚晶体谐振器"

## Free pads (board coordinates)
  round 118.11 hole 118.11 unplated: 0(-3279.89,-3466.89) 0(-3279.89,-238.54) 0(2389.4,-3466.89) 0(2389.4,-238.54)

## Via types
v1: diameter 15, hole 10, L1 to L4, tented both sides, 1853 vias
v2: diameter 18, hole 12, L1 to L4, tented both sides, 1133 vias

## Nets (pads, with @x,y where several pads share a name; then routed paths per layer and width w, separated by ;. In a path a pad name is that pad's centre, name@x,y a point inside that pad or via, vN(x,y) a via of type N, cw(c..) or ccw(c..) an arc to the next point about the centre after c; other vN are vias at no path point)
+2.5V: R7.1 U2.32 U6.1 U6.2 | length 251.2
  L1 w12: R7.1@-1659.76,-3478.46 -1659.76,-3411.56 U2.32@-1629.77,-3381.57
  L1 w15: U6.2@-1795.59,-3463.69 U6.1@-1720.79,-3463.69 -1707.76,-3463.69 -1693,-3478.46 R7.1@-1659.76,-3478.46